# KiCad board 8b-alu-slice.kicad_pcb (continued)
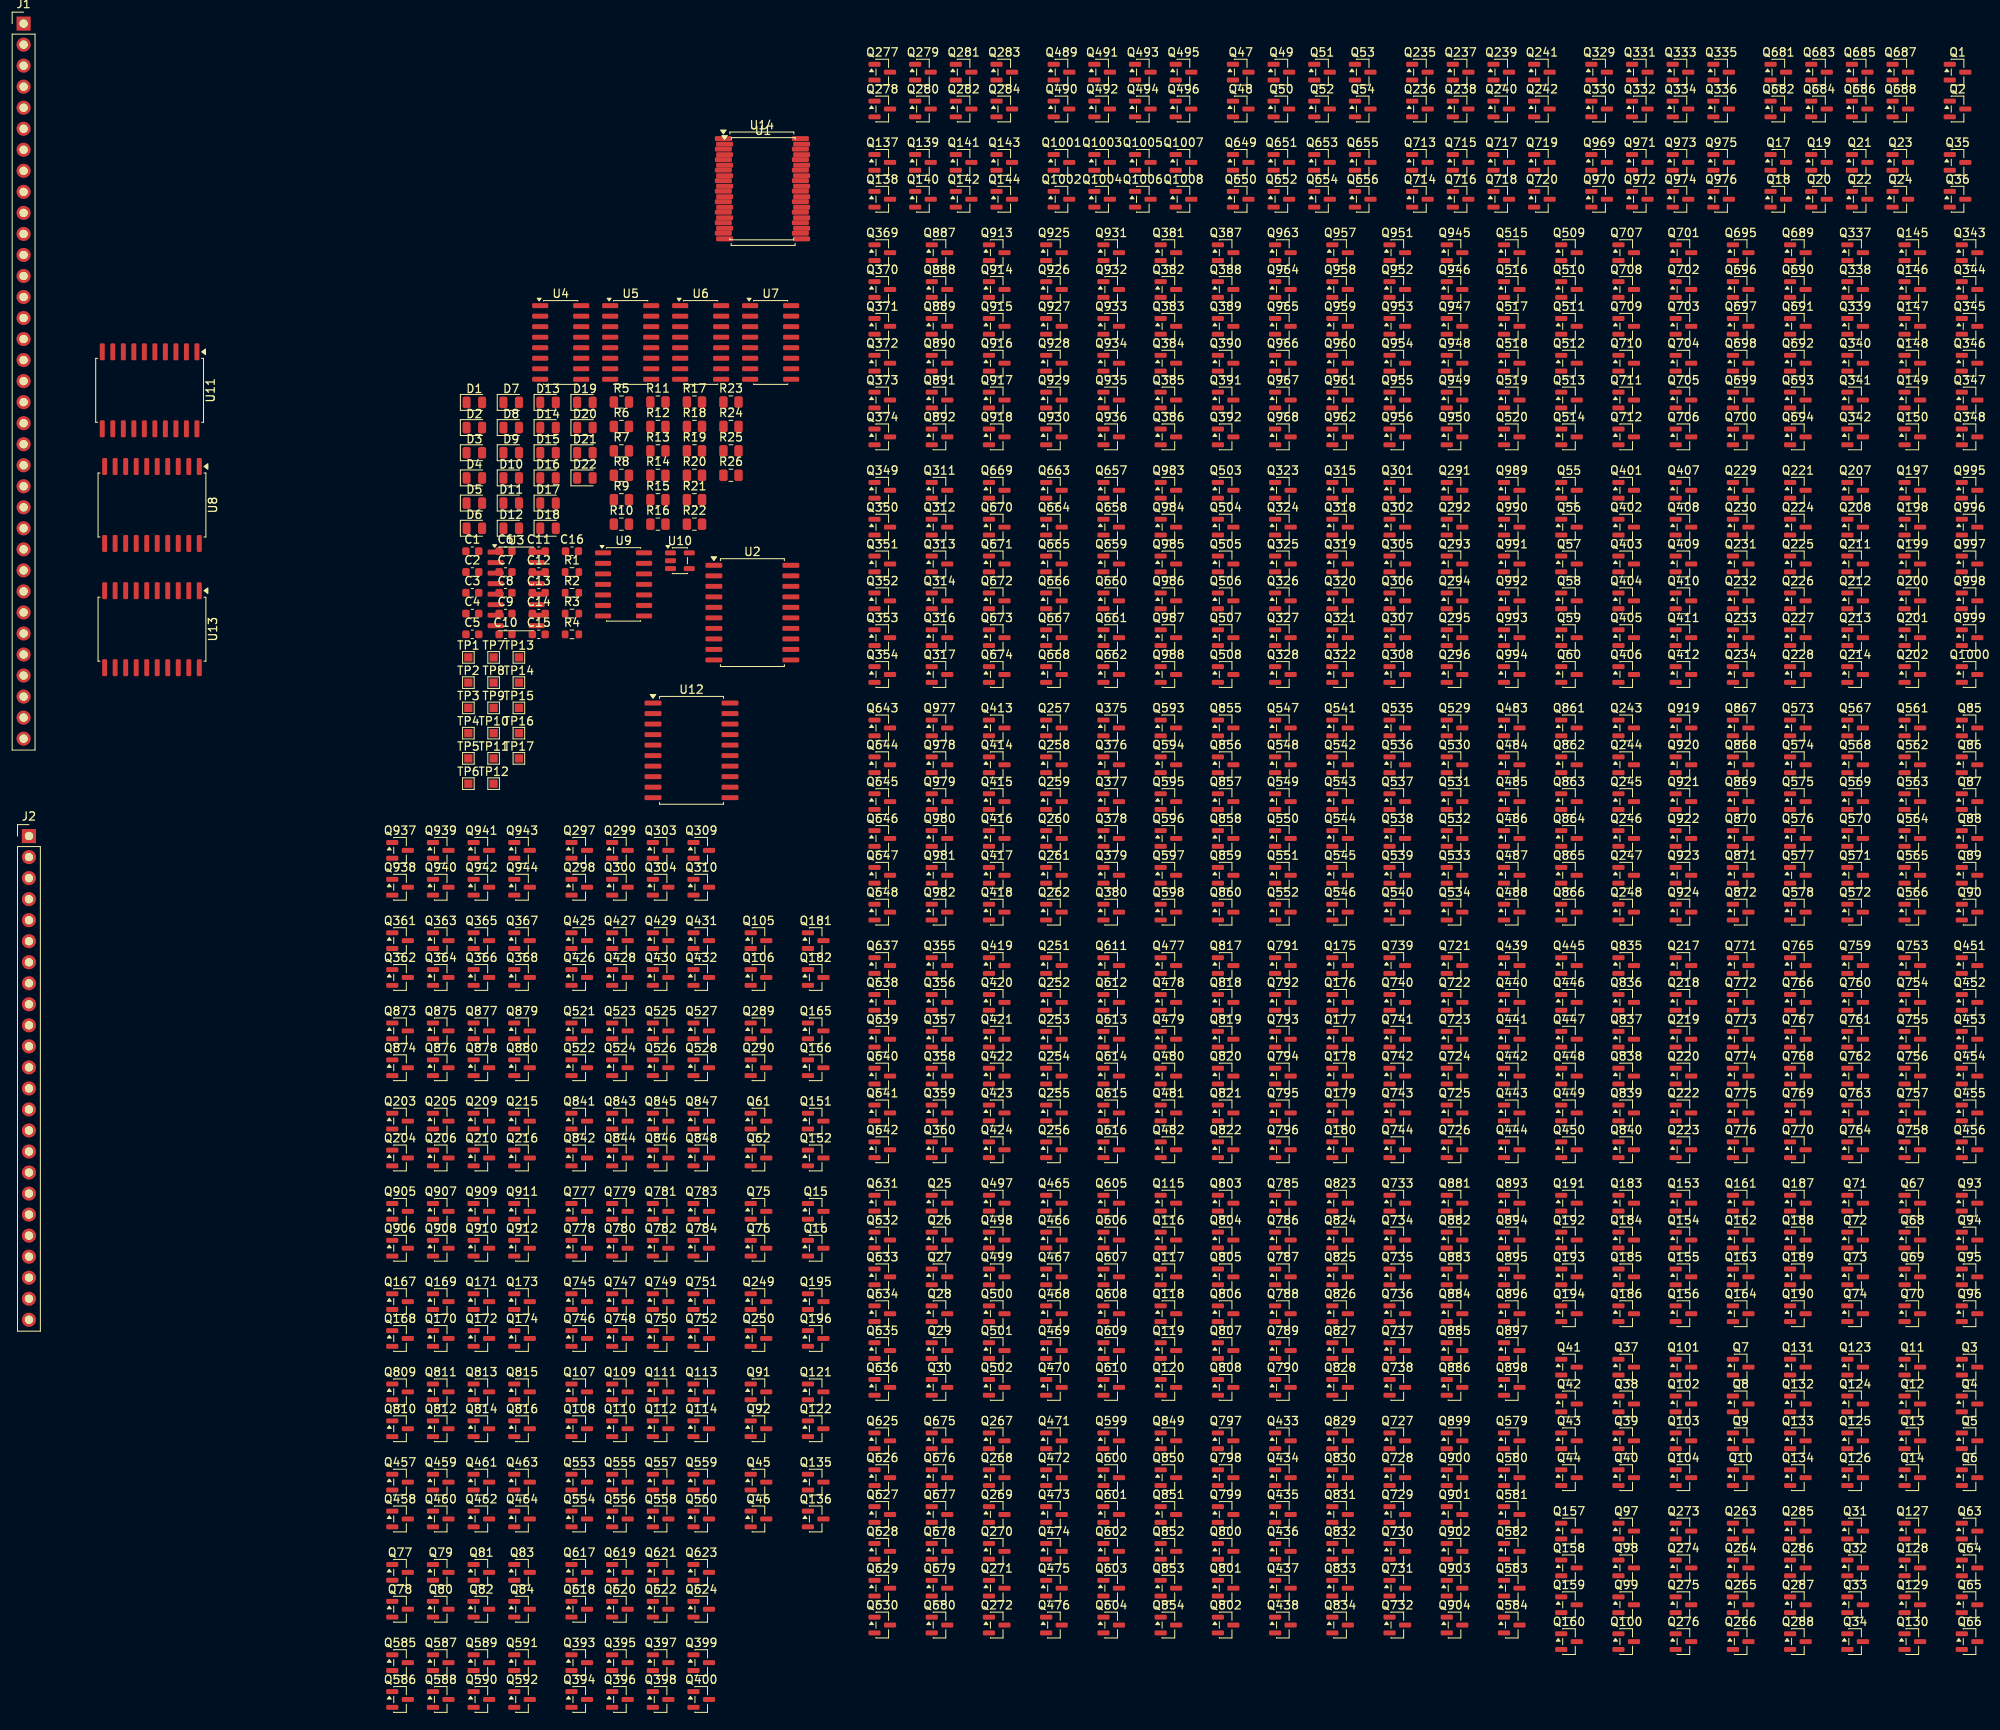
[diagram p0: board, top side]
## Placement (name value [footprint] x y rotation side) (continued)
Q380  Q_PMOS  [SOT-23]  131.33 95.09 0 top
Q381  Q_PMOS  [SOT-23]  138.24 174.74 0 top
Q382  Q_PMOS  [SOT-23]  138.24 170.29 0 top
Q383  Q_NMOS  [SOT-23]  138.24 165.84 0 top
Q384  Q_NMOS  [SOT-23]  138.24 161.39 0 top
Q385  Q_NMOS  [SOT-23]  138.24 156.94 0 top
Q386  Q_PMOS  [SOT-23]  138.24 152.49 0 top
Q387  Q_PMOS  [SOT-23]  145.15 174.74 0 top
Q388  Q_PMOS  [SOT-23]  145.15 170.29 0 top
Q389  Q_NMOS  [SOT-23]  145.15 165.84 0 top
Q390  Q_NMOS  [SOT-23]  145.15 161.39 0 top
Q391  Q_NMOS  [SOT-23]  145.15 156.94 0 top
Q392  Q_PMOS  [SOT-23]  145.15 152.49 0 top
Q393  Q_PMOS  [SOT-23]  67.09 4.45 0 top
Q394  Q_PMOS  [SOT-23]  67.09 0 0 top
Q395  Q_PMOS  [SOT-23]  72 4.45 0 top
Q396  Q_PMOS  [SOT-23]  72 0 0 top
Q397  Q_NMOS  [SOT-23]  76.92 4.45 0 top
Q398  Q_NMOS  [SOT-23]  76.92 0 0 top
Q399  Q_NMOS  [SOT-23]  81.83 4.45 0 top
Q400  Q_NMOS  [SOT-23]  81.83 0 0 top
Q401  Q_PMOS  [SOT-23]  193.52 146.04 0 top
Q402  Q_PMOS  [SOT-23]  193.52 141.59 0 top
Q403  Q_NMOS  [SOT-23]  193.52 137.14 0 top
Q404  Q_NMOS  [SOT-23]  193.52 132.69 0 top
Q405  Q_NMOS  [SOT-23]  193.52 128.24 0 top
Q406  Q_PMOS  [SOT-23]  193.52 123.79 0 top
Q407  Q_PMOS  [SOT-23]  200.43 146.04 0 top
Q408  Q_PMOS  [SOT-23]  200.43 141.59 0 top
Q409  Q_NMOS  [SOT-23]  200.43 137.14 0 top
Q410  Q_NMOS  [SOT-23]  200.43 132.69 0 top
Q411  Q_NMOS  [SOT-23]  200.43 128.24 0 top
Q412  Q_PMOS  [SOT-23]  200.43 123.79 0 top
Q413  Q_PMOS  [SOT-23]  117.51 117.34 0 top
Q414  Q_PMOS  [SOT-23]  117.51 112.89 0 top
Q415  Q_NMOS  [SOT-23]  117.51 108.44 0 top
Q416  Q_NMOS  [SOT-23]  117.51 103.99 0 top
Q417  Q_NMOS  [SOT-23]  117.51 99.54 0 top
Q418  Q_PMOS  [SOT-23]  117.51 95.09 0 top
Q419  Q_PMOS  [SOT-23]  117.51 88.64 0 top
Q420  Q_PMOS  [SOT-23]  117.51 84.19 0 top
Q421  Q_NMOS  [SOT-23]  117.51 79.74 0 top
Q422  Q_NMOS  [SOT-23]  117.51 75.29 0 top
Q423  Q_NMOS  [SOT-23]  117.51 70.84 0 top
Q424  Q_PMOS  [SOT-23]  117.51 66.39 0 top
Q425  Q_PMOS  [SOT-23]  67.09 91.65 0 top
Q426  Q_PMOS  [SOT-23]  67.09 87.2 0 top
Q427  Q_PMOS  [SOT-23]  72 91.65 0 top
Q428  Q_PMOS  [SOT-23]  72 87.2 0 top
Q429  Q_NMOS  [SOT-23]  76.92 91.65 0 top
Q430  Q_NMOS  [SOT-23]  76.92 87.2 0 top
Q431  Q_NMOS  [SOT-23]  81.83 91.65 0 top
Q432  Q_NMOS  [SOT-23]  81.83 87.2 0 top
Q433  Q_PMOS  [SOT-23]  152.06 31.24 0 top
Q434  Q_PMOS  [SOT-23]  152.06 26.79 0 top
Q435  Q_NMOS  [SOT-23]  152.06 22.34 0 top
Q436  Q_NMOS  [SOT-23]  152.06 17.89 0 top
Q437  Q_NMOS  [SOT-23]  152.06 13.44 0 top
Q438  Q_PMOS  [SOT-23]  152.06 8.99 0 top
Q439  Q_PMOS  [SOT-23]  179.7 88.64 0 top
Q440  Q_PMOS  [SOT-23]  179.7 84.19 0 top
Q441  Q_NMOS  [SOT-23]  179.7 79.74 0 top
Q442  Q_NMOS  [SOT-23]  179.7 75.29 0 top
Q443  Q_NMOS  [SOT-23]  179.7 70.84 0 top
Q444  Q_PMOS  [SOT-23]  179.7 66.39 0 top
Q445  Q_PMOS  [SOT-23]  186.61 88.64 0 top
Q446  Q_PMOS  [SOT-23]  186.61 84.19 0 top
Q447  Q_NMOS  [SOT-23]  186.61 79.74 0 top
Q448  Q_NMOS  [SOT-23]  186.61 75.29 0 top
Q449  Q_NMOS  [SOT-23]  186.61 70.84 0 top
Q450  Q_PMOS  [SOT-23]  186.61 66.39 0 top
Q451  Q_PMOS  [SOT-23]  234.97 88.64 0 top
Q452  Q_PMOS  [SOT-23]  234.97 84.19 0 top
Q453  Q_NMOS  [SOT-23]  234.97 79.74 0 top
Q454  Q_NMOS  [SOT-23]  234.97 75.29 0 top
Q455  Q_NMOS  [SOT-23]  234.97 70.84 0 top
Q456  Q_PMOS  [SOT-23]  234.97 66.39 0 top
Q457  Q_PMOS  [SOT-23]  45.46 26.25 0 top
Q458  Q_PMOS  [SOT-23]  45.46 21.8 0 top
Q459  Q_PMOS  [SOT-23]  50.37 26.25 0 top
Q460  Q_PMOS  [SOT-23]  50.37 21.8 0 top
Q461  Q_NMOS  [SOT-23]  55.27 26.25 0 top
Q462  Q_NMOS  [SOT-23]  55.27 21.8 0 top
Q463  Q_NMOS  [SOT-23]  60.19 26.25 0 top
Q464  Q_NMOS  [SOT-23]  60.19 21.8 0 top
Q465  Q_PMOS  [SOT-23]  124.42 59.94 0 top
Q466  Q_PMOS  [SOT-23]  124.42 55.49 0 top
Q467  Q_NMOS  [SOT-23]  124.42 51.04 0 top
Q468  Q_NMOS  [SOT-23]  124.42 46.59 0 top
Q469  Q_NMOS  [SOT-23]  124.42 42.14 0 top
Q470  Q_PMOS  [SOT-23]  124.42 37.69 0 top
Q471  Q_PMOS  [SOT-23]  124.42 31.24 0 top
Q472  Q_PMOS  [SOT-23]  124.42 26.79 0 top
Q473  Q_NMOS  [SOT-23]  124.42 22.34 0 top
Q474  Q_NMOS  [SOT-23]  124.42 17.89 0 top
Q475  Q_NMOS  [SOT-23]  124.42 13.44 0 top
Q476  Q_PMOS  [SOT-23]  124.42 8.99 0 top
Q477  Q_PMOS  [SOT-23]  138.24 88.64 0 top
Q478  Q_PMOS  [SOT-23]  138.24 84.19 0 top
Q479  Q_NMOS  [SOT-23]  138.24 79.74 0 top
Q480  Q_NMOS  [SOT-23]  138.24 75.29 0 top
Q481  Q_NMOS  [SOT-23]  138.24 70.84 0 top
Q482  Q_PMOS  [SOT-23]  138.24 66.39 0 top
Q483  Q_PMOS  [SOT-23]  179.7 117.34 0 top
Q484  Q_PMOS  [SOT-23]  179.7 112.89 0 top
Q485  Q_NMOS  [SOT-23]  179.7 108.44 0 top
Q486  Q_NMOS  [SOT-23]  179.7 103.99 0 top
Q487  Q_NMOS  [SOT-23]  179.7 99.54 0 top
Q488  Q_PMOS  [SOT-23]  179.7 95.09 0 top
Q489  Q_PMOS  [SOT-23]  125.33 196.54 0 top
Q490  Q_PMOS  [SOT-23]  125.33 192.09 0 top
Q491  Q_PMOS  [SOT-23]  130.24 196.54 0 top
Q492  Q_PMOS  [SOT-23]  130.24 192.09 0 top
Q493  Q_NMOS  [SOT-23]  135.15 196.54 0 top
Q494  Q_NMOS  [SOT-23]  135.15 192.09 0 top
Q495  Q_NMOS  [SOT-23]  140.06 196.54 0 top
Q496  Q_NMOS  [SOT-23]  140.06 192.09 0 top
Q497  Q_PMOS  [SOT-23]  117.51 59.94 0 top
Q498  Q_PMOS  [SOT-23]  117.51 55.49 0 top
Q499  Q_NMOS  [SOT-23]  117.51 51.04 0 top
Q500  Q_NMOS  [SOT-23]  117.51 46.59 0 top
Q501  Q_NMOS  [SOT-23]  117.51 42.14 0 top
Q502  Q_PMOS  [SOT-23]  117.51 37.69 0 top
Q503  Q_PMOS  [SOT-23]  145.15 146.04 0 top
Q504  Q_PMOS  [SOT-23]  145.15 141.59 0 top
Q505  Q_NMOS  [SOT-23]  145.15 137.14 0 top
Q506  Q_NMOS  [SOT-23]  145.15 132.69 0 top
Q507  Q_NMOS  [SOT-23]  145.15 128.24 0 top
Q508  Q_PMOS  [SOT-23]  145.15 123.79 0 top
Q509  Q_PMOS  [SOT-23]  186.61 174.74 0 top
Q510  Q_PMOS  [SOT-23]  186.61 170.29 0 top
Q511  Q_NMOS  [SOT-23]  186.61 165.84 0 top
Q512  Q_NMOS  [SOT-23]  186.61 161.39 0 top
Q513  Q_NMOS  [SOT-23]  186.61 156.94 0 top
Q514  Q_PMOS  [SOT-23]  186.61 152.49 0 top
Q515  Q_PMOS  [SOT-23]  179.7 174.74 0 top
Q516  Q_PMOS  [SOT-23]  179.7 170.29 0 top
Q517  Q_NMOS  [SOT-23]  179.7 165.84 0 top
Q518  Q_NMOS  [SOT-23]  179.7 161.39 0 top
Q519  Q_NMOS  [SOT-23]  179.7 156.94 0 top
Q520  Q_PMOS  [SOT-23]  179.7 152.49 0 top
Q521  Q_PMOS  [SOT-23]  67.09 80.75 0 top
Q522  Q_PMOS  [SOT-23]  67.09 76.3 0 top
Q523  Q_PMOS  [SOT-23]  72 80.75 0 top
Q524  Q_PMOS  [SOT-23]  72 76.3 0 top
Q525  Q_NMOS  [SOT-23]  76.92 80.75 0 top
Q526  Q_NMOS  [SOT-23]  76.92 76.3 0 top
Q527  Q_NMOS  [SOT-23]  81.83 80.75 0 top
Q528  Q_NMOS  [SOT-23]  81.83 76.3 0 top
Q529  Q_PMOS  [SOT-23]  172.78 117.34 0 top
Q530  Q_PMOS  [SOT-23]  172.78 112.89 0 top
Q531  Q_NMOS  [SOT-23]  172.78 108.44 0 top
Q532  Q_NMOS  [SOT-23]  172.78 103.99 0 top
Q533  Q_NMOS  [SOT-23]  172.78 99.54 0 top
Q534  Q_PMOS  [SOT-23]  172.78 95.09 0 top
Q535  Q_PMOS  [SOT-23]  165.88 117.34 0 top
Q536  Q_PMOS  [SOT-23]  165.88 112.89 0 top
Q537  Q_NMOS  [SOT-23]  165.88 108.44 0 top
Q538  Q_NMOS  [SOT-23]  165.88 103.99 0 top
Q539  Q_NMOS  [SOT-23]  165.88 99.54 0 top
Q540  Q_PMOS  [SOT-23]  165.88 95.09 0 top
Q541  Q_PMOS  [SOT-23]  158.97 117.34 0 top
Q542  Q_PMOS  [SOT-23]  158.97 112.89 0 top
Q543  Q_NMOS  [SOT-23]  158.97 108.44 0 top
Q544  Q_NMOS  [SOT-23]  158.97 103.99 0 top
Q545  Q_NMOS  [SOT-23]  158.97 99.54 0 top
Q546  Q_PMOS  [SOT-23]  158.97 95.09 0 top
Q547  Q_PMOS  [SOT-23]  152.06 117.34 0 top
Q548  Q_PMOS  [SOT-23]  152.06 112.89 0 top
Q549  Q_NMOS  [SOT-23]  152.06 108.44 0 top
Q550  Q_NMOS  [SOT-23]  152.06 103.99 0 top
Q551  Q_NMOS  [SOT-23]  152.06 99.54 0 top
Q552  Q_PMOS  [SOT-23]  152.06 95.09 0 top
Q553  Q_PMOS  [SOT-23]  67.09 26.25 0 top
Q554  Q_PMOS  [SOT-23]  67.09 21.8 0 top
Q555  Q_PMOS  [SOT-23]  72 26.25 0 top
Q556  Q_PMOS  [SOT-23]  72 21.8 0 top
Q557  Q_NMOS  [SOT-23]  76.92 26.25 0 top
Q558  Q_NMOS  [SOT-23]  76.92 21.8 0 top
Q559  Q_NMOS  [SOT-23]  81.83 26.25 0 top
Q560  Q_NMOS  [SOT-23]  81.83 21.8 0 top
Q561  Q_PMOS  [SOT-23]  228.07 117.34 0 top
Q562  Q_PMOS  [SOT-23]  228.07 112.89 0 top
Q563  Q_NMOS  [SOT-23]  228.07 108.44 0 top
Q564  Q_NMOS  [SOT-23]  228.07 103.99 0 top
Q565  Q_NMOS  [SOT-23]  228.07 99.54 0 top
Q566  Q_PMOS  [SOT-23]  228.07 95.09 0 top
Q567  Q_PMOS  [SOT-23]  221.16 117.34 0 top
Q568  Q_PMOS  [SOT-23]  221.16 112.89 0 top
Q569  Q_NMOS  [SOT-23]  221.16 108.44 0 top
Q570  Q_NMOS  [SOT-23]  221.16 103.99 0 top
Q571  Q_NMOS  [SOT-23]  221.16 99.54 0 top
Q572  Q_PMOS  [SOT-23]  221.16 95.09 0 top
Q573  Q_PMOS  [SOT-23]  214.25 117.34 0 top
Q574  Q_PMOS  [SOT-23]  214.25 112.89 0 top
Q575  Q_NMOS  [SOT-23]  214.25 108.44 0 top
Q576  Q_NMOS  [SOT-23]  214.25 103.99 0 top
Q577  Q_NMOS  [SOT-23]  214.25 99.54 0 top
Q578  Q_PMOS  [SOT-23]  214.25 95.09 0 top
Q579  Q_PMOS  [SOT-23]  179.7 31.24 0 top
Q580  Q_PMOS  [SOT-23]  179.7 26.79 0 top
Q581  Q_NMOS  [SOT-23]  179.7 22.34 0 top
Q582  Q_NMOS  [SOT-23]  179.7 17.89 0 top
Q583  Q_NMOS  [SOT-23]  179.7 13.44 0 top
Q584  Q_PMOS  [SOT-23]  179.7 8.99 0 top
Q585  Q_PMOS  [SOT-23]  45.46 4.45 0 top
Q586  Q_PMOS  [SOT-23]  45.46 0 0 top
Q587  Q_PMOS  [SOT-23]  50.37 4.45 0 top
Q588  Q_PMOS  [SOT-23]  50.37 0 0 top
Q589  Q_NMOS  [SOT-23]  55.27 4.45 0 top
Q590  Q_NMOS  [SOT-23]  55.27 0 0 top
Q591  Q_NMOS  [SOT-23]  60.19 4.45 0 top
Q592  Q_NMOS  [SOT-23]  60.19 0 0 top
Q593  Q_PMOS  [SOT-23]  138.24 117.34 0 top
Q594  Q_PMOS  [SOT-23]  138.24 112.89 0 top
Q595  Q_NMOS  [SOT-23]  138.24 108.44 0 top
Q596  Q_NMOS  [SOT-23]  138.24 103.99 0 top
Q597  Q_NMOS  [SOT-23]  138.24 99.54 0 top
Q598  Q_PMOS  [SOT-23]  138.24 95.09 0 top
Q599  Q_PMOS  [SOT-23]  131.33 31.24 0 top
Q600  Q_PMOS  [SOT-23]  131.33 26.79 0 top
Q601  Q_NMOS  [SOT-23]  131.33 22.34 0 top
Q602  Q_NMOS  [SOT-23]  131.33 17.89 0 top
Q603  Q_NMOS  [SOT-23]  131.33 13.44 0 top
Q604  Q_PMOS  [SOT-23]  131.33 8.99 0 top
Q605  Q_PMOS  [SOT-23]  131.33 59.94 0 top
Q606  Q_PMOS  [SOT-23]  131.33 55.49 0 top
Q607  Q_NMOS  [SOT-23]  131.33 51.04 0 top
Q608  Q_NMOS  [SOT-23]  131.33 46.59 0 top
Q609  Q_NMOS  [SOT-23]  131.33 42.14 0 top
Q610  Q_PMOS  [SOT-23]  131.33 37.69 0 top
Q611  Q_PMOS  [SOT-23]  131.33 88.64 0 top
Q612  Q_PMOS  [SOT-23]  131.33 84.19 0 top
Q613  Q_NMOS  [SOT-23]  131.33 79.74 0 top
Q614  Q_NMOS  [SOT-23]  131.33 75.29 0 top
Q615  Q_NMOS  [SOT-23]  131.33 70.84 0 top
Q616  Q_PMOS  [SOT-23]  131.33 66.39 0 top
Q617  Q_PMOS  [SOT-23]  67.09 15.35 0 top
Q618  Q_PMOS  [SOT-23]  67.09 10.9 0 top
Q619  Q_PMOS  [SOT-23]  72 15.35 0 top
Q620  Q_PMOS  [SOT-23]  72 10.9 0 top
Q621  Q_NMOS  [SOT-23]  76.92 15.35 0 top
Q622  Q_NMOS  [SOT-23]  76.92 10.9 0 top
Q623  Q_NMOS  [SOT-23]  81.83 15.35 0 top
Q624  Q_NMOS  [SOT-23]  81.83 10.9 0 top
Q625  Q_PMOS  [SOT-23]  103.69 31.24 0 top
Q626  Q_PMOS  [SOT-23]  103.69 26.79 0 top
Q627  Q_NMOS  [SOT-23]  103.69 22.34 0 top
Q628  Q_NMOS  [SOT-23]  103.69 17.89 0 top
Q629  Q_NMOS  [SOT-23]  103.69 13.44 0 top
Q630  Q_PMOS  [SOT-23]  103.69 8.99 0 top
Q631  Q_PMOS  [SOT-23]  103.69 59.94 0 top
Q632  Q_PMOS  [SOT-23]  103.69 55.49 0 top
Q633  Q_NMOS  [SOT-23]  103.69 51.04 0 top
Q634  Q_NMOS  [SOT-23]  103.69 46.59 0 top
Q635  Q_NMOS  [SOT-23]  103.69 42.14 0 top
Q636  Q_PMOS  [SOT-23]  103.69 37.69 0 top
Q637  Q_PMOS  [SOT-23]  103.69 88.64 0 top
Q638  Q_PMOS  [SOT-23]  103.69 84.19 0 top
Q639  Q_NMOS  [SOT-23]  103.69 79.74 0 top
Q640  Q_NMOS  [SOT-23]  103.69 75.29 0 top
Q641  Q_NMOS  [SOT-23]  103.69 70.84 0 top
Q642  Q_PMOS  [SOT-23]  103.69 66.39 0 top
Q643  Q_PMOS  [SOT-23]  103.69 117.34 0 top
Q644  Q_PMOS  [SOT-23]  103.69 112.89 0 top
Q645  Q_NMOS  [SOT-23]  103.69 108.44 0 top
Q646  Q_NMOS  [SOT-23]  103.69 103.99 0 top
Q647  Q_NMOS  [SOT-23]  103.69 99.54 0 top
Q648  Q_PMOS  [SOT-23]  103.69 95.09 0 top
Q649  Q_PMOS  [SOT-23]  146.97 185.64 0 top
Q650  Q_PMOS  [SOT-23]  146.97 181.19 0 top
Q651  Q_PMOS  [SOT-23]  151.88 185.64 0 top
Q652  Q_PMOS  [SOT-23]  151.88 181.19 0 top
Q653  Q_NMOS  [SOT-23]  156.78 185.64 0 top
Q654  Q_NMOS  [SOT-23]  156.78 181.19 0 top
Q655  Q_NMOS  [SOT-23]  161.7 185.64 0 top
Q656  Q_NMOS  [SOT-23]  161.7 181.19 0 top
Q657  Q_PMOS  [SOT-23]  131.33 146.04 0 top
Q658  Q_PMOS  [SOT-23]  131.33 141.59 0 top
Q659  Q_NMOS  [SOT-23]  131.33 137.14 0 top
Q660  Q_NMOS  [SOT-23]  131.33 132.69 0 top
Q661  Q_NMOS  [SOT-23]  131.33 128.24 0 top
Q662  Q_PMOS  [SOT-23]  131.33 123.79 0 top
Q663  Q_PMOS  [SOT-23]  124.42 146.04 0 top
Q664  Q_PMOS  [SOT-23]  124.42 141.59 0 top
Q665  Q_NMOS  [SOT-23]  124.42 137.14 0 top
Q666  Q_NMOS  [SOT-23]  124.42 132.69 0 top
Q667  Q_NMOS  [SOT-23]  124.42 128.24 0 top
Q668  Q_PMOS  [SOT-23]  124.42 123.79 0 top
Q669  Q_PMOS  [SOT-23]  117.51 146.04 0 top
Q670  Q_PMOS  [SOT-23]  117.51 141.59 0 top
Q671  Q_NMOS  [SOT-23]  117.51 137.14 0 top
Q672  Q_NMOS  [SOT-23]  117.51 132.69 0 top
Q673  Q_NMOS  [SOT-23]  117.51 128.24 0 top
Q674  Q_PMOS  [SOT-23]  117.51 123.79 0 top
Q675  Q_PMOS  [SOT-23]  110.59 31.24 0 top
Q676  Q_PMOS  [SOT-23]  110.59 26.79 0 top
Q677  Q_NMOS  [SOT-23]  110.59 22.34 0 top
Q678  Q_NMOS  [SOT-23]  110.59 17.89 0 top
Q679  Q_NMOS  [SOT-23]  110.59 13.44 0 top
Q680  Q_PMOS  [SOT-23]  110.59 8.99 0 top
Q681  Q_PMOS  [SOT-23]  211.89 196.54 0 top
Q682  Q_PMOS  [SOT-23]  211.89 192.09 0 top
Q683  Q_PMOS  [SOT-23]  216.79 196.54 0 top
Q684  Q_PMOS  [SOT-23]  216.79 192.09 0 top
Q685  Q_NMOS  [SOT-23]  221.71 196.54 0 top
Q686  Q_NMOS  [SOT-23]  221.71 192.09 0 top
Q687  Q_NMOS  [SOT-23]  226.62 196.54 0 top
Q688  Q_NMOS  [SOT-23]  226.62 192.09 0 top
Q689  Q_PMOS  [SOT-23]  214.25 174.74 0 top
Q690  Q_PMOS  [SOT-23]  214.25 170.29 0 top
Q691  Q_NMOS  [SOT-23]  214.25 165.84 0 top
Q692  Q_NMOS  [SOT-23]  214.25 161.39 0 top
Q693  Q_NMOS  [SOT-23]  214.25 156.94 0 top
Q694  Q_PMOS  [SOT-23]  214.25 152.49 0 top
Q695  Q_PMOS  [SOT-23]  207.34 174.74 0 top
Q696  Q_PMOS  [SOT-23]  207.34 170.29 0 top
Q697  Q_NMOS  [SOT-23]  207.34 165.84 0 top
Q698  Q_NMOS  [SOT-23]  207.34 161.39 0 top
Q699  Q_NMOS  [SOT-23]  207.34 156.94 0 top
Q700  Q_PMOS  [SOT-23]  207.34 152.49 0 top
Q701  Q_PMOS  [SOT-23]  200.43 174.74 0 top
Q702  Q_PMOS  [SOT-23]  200.43 170.29 0 top
Q703  Q_NMOS  [SOT-23]  200.43 165.84 0 top
Q704  Q_NMOS  [SOT-23]  200.43 161.39 0 top
Q705  Q_NMOS  [SOT-23]  200.43 156.94 0 top
Q706  Q_PMOS  [SOT-23]  200.43 152.49 0 top
Q707  Q_PMOS  [SOT-23]  193.52 174.74 0 top
Q708  Q_PMOS  [SOT-23]  193.52 170.29 0 top
Q709  Q_NMOS  [SOT-23]  193.52 165.84 0 top
Q710  Q_NMOS  [SOT-23]  193.52 161.39 0 top
Q711  Q_NMOS  [SOT-23]  193.52 156.94 0 top
Q712  Q_PMOS  [SOT-23]  193.52 152.49 0 top
Q713  Q_PMOS  [SOT-23]  168.61 185.64 0 top
Q714  Q_PMOS  [SOT-23]  168.61 181.19 0 top
Q715  Q_PMOS  [SOT-23]  173.52 185.64 0 top
Q716  Q_PMOS  [SOT-23]  173.52 181.19 0 top
Q717  Q_NMOS  [SOT-23]  178.43 185.64 0 top
Q718  Q_NMOS  [SOT-23]  178.43 181.19 0 top
Q719  Q_NMOS  [SOT-23]  183.34 185.64 0 top
Q720  Q_NMOS  [SOT-23]  183.34 181.19 0 top
Q721  Q_PMOS  [SOT-23]  172.78 88.64 0 top
Q722  Q_PMOS  [SOT-23]  172.78 84.19 0 top
Q723  Q_NMOS  [SOT-23]  172.78 79.74 0 top
Q724  Q_NMOS  [SOT-23]  172.78 75.29 0 top
Q725  Q_NMOS  [SOT-23]  172.78 70.84 0 top
Q726  Q_PMOS  [SOT-23]  172.78 66.39 0 top
Q727  Q_PMOS  [SOT-23]  165.88 31.24 0 top
Q728  Q_PMOS  [SOT-23]  165.88 26.79 0 top
Q729  Q_NMOS  [SOT-23]  165.88 22.34 0 top
Q730  Q_NMOS  [SOT-23]  165.88 17.89 0 top
Q731  Q_NMOS  [SOT-23]  165.88 13.44 0 top
Q732  Q_PMOS  [SOT-23]  165.88 8.99 0 top
Q733  Q_PMOS  [SOT-23]  165.88 59.94 0 top
Q734  Q_PMOS  [SOT-23]  165.88 55.49 0 top
Q735  Q_NMOS  [SOT-23]  165.88 51.04 0 top
Q736  Q_NMOS  [SOT-23]  165.88 46.59 0 top
Q737  Q_NMOS  [SOT-23]  165.88 42.14 0 top
Q738  Q_PMOS  [SOT-23]  165.88 37.69 0 top
Q739  Q_PMOS  [SOT-23]  165.88 88.64 0 top
Q740  Q_PMOS  [SOT-23]  165.88 84.19 0 top
Q741  Q_NMOS  [SOT-23]  165.88 79.74 0 top
Q742  Q_NMOS  [SOT-23]  165.88 75.29 0 top
Q743  Q_NMOS  [SOT-23]  165.88 70.84 0 top
Q744  Q_PMOS  [SOT-23]  165.88 66.39 0 top
Q745  Q_PMOS  [SOT-23]  67.09 48.05 0 top
Q746  Q_PMOS  [SOT-23]  67.09 43.6 0 top
Q747  Q_PMOS  [SOT-23]  72 48.05 0 top
Q748  Q_PMOS  [SOT-23]  72 43.6 0 top
Q749  Q_NMOS  [SOT-23]  76.92 48.05 0 top
Q750  Q_NMOS  [SOT-23]  76.92 43.6 0 top
Q751  Q_NMOS  [SOT-23]  81.83 48.05 0 top
Q752  Q_NMOS  [SOT-23]  81.83 43.6 0 top
Q753  Q_PMOS  [SOT-23]  228.07 88.64 0 top
Q754  Q_PMOS  [SOT-23]  228.07 84.19 0 top
Q755  Q_NMOS  [SOT-23]  228.07 79.74 0 top
Q756  Q_NMOS  [SOT-23]  228.07 75.29 0 top
Q757  Q_NMOS  [SOT-23]  228.07 70.84 0 top
Q758  Q_PMOS  [SOT-23]  228.07 66.39 0 top
Q759  Q_PMOS  [SOT-23]  221.16 88.64 0 top
Q760  Q_PMOS  [SOT-23]  221.16 84.19 0 top
Q761  Q_NMOS  [SOT-23]  221.16 79.74 0 top
Q762  Q_NMOS  [SOT-23]  221.16 75.29 0 top
Q763  Q_NMOS  [SOT-23]  221.16 70.84 0 top
Q764  Q_PMOS  [SOT-23]  221.16 66.39 0 top
Q765  Q_PMOS  [SOT-23]  214.25 88.64 0 top
Q766  Q_PMOS  [SOT-23]  214.25 84.19 0 top
Q767  Q_NMOS  [SOT-23]  214.25 79.74 0 top
Q768  Q_NMOS  [SOT-23]  214.25 75.29 0 top
Q769  Q_NMOS  [SOT-23]  214.25 70.84 0 top
Q770  Q_PMOS  [SOT-23]  214.25 66.39 0 top
Q771  Q_PMOS  [SOT-23]  207.34 88.64 0 top
Q772  Q_PMOS  [SOT-23]  207.34 84.19 0 top
Q773  Q_NMOS  [SOT-23]  207.34 79.74 0 top
Q774  Q_NMOS  [SOT-23]  207.34 75.29 0 top
Q775  Q_NMOS  [SOT-23]  207.34 70.84 0 top
Q776  Q_PMOS  [SOT-23]  207.34 66.39 0 top
Q777  Q_PMOS  [SOT-23]  67.09 58.95 0 top
Q778  Q_PMOS  [SOT-23]  67.09 54.5 0 top
Q779  Q_PMOS  [SOT-23]  72 58.95 0 top
Q780  Q_PMOS  [SOT-23]  72 54.5 0 top
Q781  Q_NMOS  [SOT-23]  76.92 58.95 0 top
Q782  Q_NMOS  [SOT-23]  76.92 54.5 0 top
Q783  Q_NMOS  [SOT-23]  81.83 58.95 0 top
Q784  Q_NMOS  [SOT-23]  81.83 54.5 0 top
Q785  Q_PMOS  [SOT-23]  152.06 59.94 0 top
Q786  Q_PMOS  [SOT-23]  152.06 55.49 0 top
Q787  Q_NMOS  [SOT-23]  152.06 51.04 0 top
Q788  Q_NMOS  [SOT-23]  152.06 46.59 0 top
Q789  Q_NMOS  [SOT-23]  152.06 42.14 0 top
Q790  Q_PMOS  [SOT-23]  152.06 37.69 0 top
Q791  Q_PMOS  [SOT-23]  152.06 88.64 0 top
Q792  Q_PMOS  [SOT-23]  152.06 84.19 0 top
Q793  Q_NMOS  [SOT-23]  152.06 79.74 0 top
Q794  Q_NMOS  [SOT-23]  152.06 75.29 0 top
Q795  Q_NMOS  [SOT-23]  152.06 70.84 0 top
Q796  Q_PMOS  [SOT-23]  152.06 66.39 0 top
Q797  Q_PMOS  [SOT-23]  145.15 31.24 0 top
Q798  Q_PMOS  [SOT-23]  145.15 26.79 0 top
Q799  Q_NMOS  [SOT-23]  145.15 22.34 0 top
Q800  Q_NMOS  [SOT-23]  145.15 17.89 0 top
Q801  Q_NMOS  [SOT-23]  145.15 13.44 0 top
Q802  Q_PMOS  [SOT-23]  145.15 8.99 0 top
Q803  Q_PMOS  [SOT-23]  145.15 59.94 0 top
Q804  Q_PMOS  [SOT-23]  145.15 55.49 0 top
Q805  Q_NMOS  [SOT-23]  145.15 51.04 0 top
Q806  Q_NMOS  [SOT-23]  145.15 46.59 0 top
Q807  Q_NMOS  [SOT-23]  145.15 42.14 0 top
Q808  Q_PMOS  [SOT-23]  145.15 37.69 0 top
Q809  Q_PMOS  [SOT-23]  45.46 37.15 0 top
Q810  Q_PMOS  [SOT-23]  45.46 32.7 0 top
Q811  Q_PMOS  [SOT-23]  50.37 37.15 0 top
Q812  Q_PMOS  [SOT-23]  50.37 32.7 0 top
Q813  Q_NMOS  [SOT-23]  55.27 37.15 0 top
Q814  Q_NMOS  [SOT-23]  55.27 32.7 0 top
Q815  Q_NMOS  [SOT-23]  60.19 37.15 0 top
Q816  Q_NMOS  [SOT-23]  60.19 32.7 0 top
Q817  Q_PMOS  [SOT-23]  145.15 88.64 0 top
Q818  Q_PMOS  [SOT-23]  145.15 84.19 0 top
Q819  Q_NMOS  [SOT-23]  145.15 79.74 0 top
Q820  Q_NMOS  [SOT-23]  145.15 75.29 0 top
Q821  Q_NMOS  [SOT-23]  145.15 70.84 0 top
Q822  Q_PMOS  [SOT-23]  145.15 66.39 0 top
Q823  Q_PMOS  [SOT-23]  158.97 59.94 0 top
Q824  Q_PMOS  [SOT-23]  158.97 55.49 0 top
Q825  Q_NMOS  [SOT-23]  158.97 51.04 0 top
Q826  Q_NMOS  [SOT-23]  158.97 46.59 0 top
Q827  Q_NMOS  [SOT-23]  158.97 42.14 0 top
Q828  Q_PMOS  [SOT-23]  158.97 37.69 0 top
Q829  Q_PMOS  [SOT-23]  158.97 31.24 0 top
Q830  Q_PMOS  [SOT-23]  158.97 26.79 0 top
Q831  Q_NMOS  [SOT-23]  158.97 22.34 0 top
Q832  Q_NMOS  [SOT-23]  158.97 17.89 0 top
Q833  Q_NMOS  [SOT-23]  158.97 13.44 0 top
Q834  Q_PMOS  [SOT-23]  158.97 8.99 0 top
Q835  Q_PMOS  [SOT-23]  193.52 88.64 0 top
Q836  Q_PMOS  [SOT-23]  193.52 84.19 0 top
Q837  Q_NMOS  [SOT-23]  193.52 79.74 0 top
Q838  Q_NMOS  [SOT-23]  193.52 75.29 0 top
Q839  Q_NMOS  [SOT-23]  193.52 70.84 0 top
Q840  Q_PMOS  [SOT-23]  193.52 66.39 0 top
Q841  Q_PMOS  [SOT-23]  67.09 69.85 0 top
Q842  Q_PMOS  [SOT-23]  67.09 65.4 0 top
Q843  Q_PMOS  [SOT-23]  72 69.85 0 top
Q844  Q_PMOS  [SOT-23]  72 65.4 0 top
Q845  Q_NMOS  [SOT-23]  76.92 69.85 0 top
Q846  Q_NMOS  [SOT-23]  76.92 65.4 0 top
Q847  Q_NMOS  [SOT-23]  81.83 69.85 0 top
Q848  Q_NMOS  [SOT-23]  81.83 65.4 0 top
Q849  Q_PMOS  [SOT-23]  138.24 31.24 0 top
Q850  Q_PMOS  [SOT-23]  138.24 26.79 0 top
Q851  Q_NMOS  [SOT-23]  138.24 22.34 0 top
Q852  Q_NMOS  [SOT-23]  138.24 17.89 0 top
Q853  Q_NMOS  [SOT-23]  138.24 13.44 0 top
Q854  Q_PMOS  [SOT-23]  138.24 8.99 0 top
Q855  Q_PMOS  [SOT-23]  145.15 117.34 0 top
Q856  Q_PMOS  [SOT-23]  145.15 112.89 0 top
Q857  Q_NMOS  [SOT-23]  145.15 108.44 0 top
Q858  Q_NMOS  [SOT-23]  145.15 103.99 0 top
Q859  Q_NMOS  [SOT-23]  145.15 99.54 0 top
Q860  Q_PMOS  [SOT-23]  145.15 95.09 0 top
Q861  Q_PMOS  [SOT-23]  186.61 117.34 0 top
Q862  Q_PMOS  [SOT-23]  186.61 112.89 0 top
Q863  Q_NMOS  [SOT-23]  186.61 108.44 0 top
Q864  Q_NMOS  [SOT-23]  186.61 103.99 0 top
Q865  Q_NMOS  [SOT-23]  186.61 99.54 0 top
Q866  Q_PMOS  [SOT-23]  186.61 95.09 0 top
Q867  Q_PMOS  [SOT-23]  207.34 117.34 0 top
Q868  Q_PMOS  [SOT-23]  207.34 112.89 0 top
Q869  Q_NMOS  [SOT-23]  207.34 108.44 0 top
Q870  Q_NMOS  [SOT-23]  207.34 103.99 0 top
Q871  Q_NMOS  [SOT-23]  207.34 99.54 0 top
Q872  Q_PMOS  [SOT-23]  207.34 95.09 0 top
Q873  Q_PMOS  [SOT-23]  45.46 80.75 0 top
Q874  Q_PMOS  [SOT-23]  45.46 76.3 0 top
Q875  Q_PMOS  [SOT-23]  50.37 80.75 0 top
Q876  Q_PMOS  [SOT-23]  50.37 76.3 0 top
Q877  Q_NMOS  [SOT-23]  55.27 80.75 0 top
Q878  Q_NMOS  [SOT-23]  55.27 76.3 0 top
Q879  Q_NMOS  [SOT-23]  60.19 80.75 0 top
Q880  Q_NMOS  [SOT-23]  60.19 76.3 0 top
Q881  Q_PMOS  [SOT-23]  172.78 59.94 0 top
Q882  Q_PMOS  [SOT-23]  172.78 55.49 0 top
Q883  Q_NMOS  [SOT-23]  172.78 51.04 0 top
Q884  Q_NMOS  [SOT-23]  172.78 46.59 0 top
Q885  Q_NMOS  [SOT-23]  172.78 42.14 0 top
Q886  Q_PMOS  [SOT-23]  172.78 37.69 0 top
Q887  Q_PMOS  [SOT-23]  110.59 174.74 0 top
Q888  Q_PMOS  [SOT-23]  110.59 170.29 0 top
Q889  Q_NMOS  [SOT-23]  110.59 165.84 0 top
Q890  Q_NMOS  [SOT-23]  110.59 161.39 0 top
Q891  Q_NMOS  [SOT-23]  110.59 156.94 0 top
Q892  Q_PMOS  [SOT-23]  110.59 152.49 0 top
Q893  Q_PMOS  [SOT-23]  179.7 59.94 0 top
Q894  Q_PMOS  [SOT-23]  179.7 55.49 0 top
Q895  Q_NMOS  [SOT-23]  179.7 51.04 0 top
Q896  Q_NMOS  [SOT-23]  179.7 46.59 0 top
Q897  Q_NMOS  [SOT-23]  179.7 42.14 0 top
Q898  Q_PMOS  [SOT-23]  179.7 37.69 0 top
Q899  Q_PMOS  [SOT-23]  172.78 31.24 0 top
Q900  Q_PMOS  [SOT-23]  172.78 26.79 0 top
Q901  Q_NMOS  [SOT-23]  172.78 22.34 0 top
Q902  Q_NMOS  [SOT-23]  172.78 17.89 0 top
Q903  Q_NMOS  [SOT-23]  172.78 13.44 0 top
Q904  Q_PMOS  [SOT-23]  172.78 8.99 0 top
Q905  Q_PMOS  [SOT-23]  45.46 58.95 0 top
Q906  Q_PMOS  [SOT-23]  45.46 54.5 0 top
Q907  Q_PMOS  [SOT-23]  50.37 58.95 0 top
Q908  Q_PMOS  [SOT-23]  50.37 54.5 0 top
Q909  Q_NMOS  [SOT-23]  55.27 58.95 0 top
Q910  Q_NMOS  [SOT-23]  55.27 54.5 0 top
Q911  Q_NMOS  [SOT-23]  60.19 58.95 0 top
Q912  Q_NMOS  [SOT-23]  60.19 54.5 0 top
Q913  Q_PMOS  [SOT-23]  117.51 174.74 0 top
Q914  Q_PMOS  [SOT-23]  117.51 170.29 0 top
Q915  Q_NMOS  [SOT-23]  117.51 165.84 0 top
Q916  Q_NMOS  [SOT-23]  117.51 161.39 0 top
Q917  Q_NMOS  [SOT-23]  117.51 156.94 0 top
Q918  Q_PMOS  [SOT-23]  117.51 152.49 0 top
Q919  Q_PMOS  [SOT-23]  200.43 117.34 0 top
Q920  Q_PMOS  [SOT-23]  200.43 112.89 0 top
Q921  Q_NMOS  [SOT-23]  200.43 108.44 0 top
Q922  Q_NMOS  [SOT-23]  200.43 103.99 0 top
Q923  Q_NMOS  [SOT-23]  200.43 99.54 0 top
Q924  Q_PMOS  [SOT-23]  200.43 95.09 0 top
Q925  Q_PMOS  [SOT-23]  124.42 174.74 0 top
Q926  Q_PMOS  [SOT-23]  124.42 170.29 0 top
Q927  Q_NMOS  [SOT-23]  124.42 165.84 0 top
Q928  Q_NMOS  [SOT-23]  124.42 161.39 0 top
Q929  Q_NMOS  [SOT-23]  124.42 156.94 0 top
Q930  Q_PMOS  [SOT-23]  124.42 152.49 0 top
Q931  Q_PMOS  [SOT-23]  131.33 174.74 0 top
Q932  Q_PMOS  [SOT-23]  131.33 170.29 0 top
Q933  Q_NMOS  [SOT-23]  131.33 165.84 0 top
Q934  Q_NMOS  [SOT-23]  131.33 161.39 0 top
Q935  Q_NMOS  [SOT-23]  131.33 156.94 0 top
Q936  Q_PMOS  [SOT-23]  131.33 152.49 0 top
Q937  Q_PMOS  [SOT-23]  45.46 102.55 0 top
Q938  Q_PMOS  [SOT-23]  45.46 98.1 0 top
Q939  Q_PMOS  [SOT-23]  50.37 102.55 0 top
Q940  Q_PMOS  [SOT-23]  50.37 98.1 0 top
Q941  Q_NMOS  [SOT-23]  55.27 102.55 0 top
Q942  Q_NMOS  [SOT-23]  55.27 98.1 0 top
Q943  Q_NMOS  [SOT-23]  60.19 102.55 0 top
Q944  Q_NMOS  [SOT-23]  60.19 98.1 0 top
Q945  Q_PMOS  [SOT-23]  172.78 174.74 0 top
Q946  Q_PMOS  [SOT-23]  172.78 170.29 0 top
Q947  Q_NMOS  [SOT-23]  172.78 165.84 0 top
Q948  Q_NMOS  [SOT-23]  172.78 161.39 0 top
Q949  Q_NMOS  [SOT-23]  172.78 156.94 0 top
Q950  Q_PMOS  [SOT-23]  172.78 152.49 0 top
Q951  Q_PMOS  [SOT-23]  165.88 174.74 0 top
Q952  Q_PMOS  [SOT-23]  165.88 170.29 0 top
Q953  Q_NMOS  [SOT-23]  165.88 165.84 0 top
Q954  Q_NMOS  [SOT-23]  165.88 161.39 0 top
Q955  Q_NMOS  [SOT-23]  165.88 156.94 0 top
Q956  Q_PMOS  [SOT-23]  165.88 152.49 0 top
Q957  Q_PMOS  [SOT-23]  158.97 174.74 0 top
Q958  Q_PMOS  [SOT-23]  158.97 170.29 0 top
Q959  Q_NMOS  [SOT-23]  158.97 165.84 0 top
Q960  Q_NMOS  [SOT-23]  158.97 161.39 0 top
Q961  Q_NMOS  [SOT-23]  158.97 156.94 0 top
Q962  Q_PMOS  [SOT-23]  158.97 152.49 0 top
Q963  Q_PMOS  [SOT-23]  152.06 174.74 0 top
Q964  Q_PMOS  [SOT-23]  152.06 170.29 0 top
Q965  Q_NMOS  [SOT-23]  152.06 165.84 0 top
Q966  Q_NMOS  [SOT-23]  152.06 161.39 0 top
Q967  Q_NMOS  [SOT-23]  152.06 156.94 0 top
Q968  Q_PMOS  [SOT-23]  152.06 152.49 0 top
Q969  Q_PMOS  [SOT-23]  190.25 185.64 0 top
Q970  Q_PMOS  [SOT-23]  190.25 181.19 0 top
Q971  Q_PMOS  [SOT-23]  195.16 185.64 0 top
Q972  Q_PMOS  [SOT-23]  195.16 181.19 0 top
Q973  Q_NMOS  [SOT-23]  200.06 185.64 0 top
Q974  Q_NMOS  [SOT-23]  200.06 181.19 0 top
Q975  Q_NMOS  [SOT-23]  204.97 185.64 0 top
Q976  Q_NMOS  [SOT-23]  204.97 181.19 0 top
Q977  Q_PMOS  [SOT-23]  110.59 117.34 0 top
Q978  Q_PMOS  [SOT-23]  110.59 112.89 0 top
Q979  Q_NMOS  [SOT-23]  110.59 108.44 0 top
Q980  Q_NMOS  [SOT-23]  110.59 103.99 0 top
Q981  Q_NMOS  [SOT-23]  110.59 99.54 0 top
Q982  Q_PMOS  [SOT-23]  110.59 95.09 0 top
Q983  Q_PMOS  [SOT-23]  138.24 146.04 0 top
Q984  Q_PMOS  [SOT-23]  138.24 141.59 0 top
Q985  Q_NMOS  [SOT-23]  138.24 137.14 0 top
Q986  Q_NMOS  [SOT-23]  138.24 132.69 0 top
Q987  Q_NMOS  [SOT-23]  138.24 128.24 0 top
Q988  Q_PMOS  [SOT-23]  138.24 123.79 0 top
Q989  Q_PMOS  [SOT-23]  179.7 146.04 0 top
Q990  Q_PMOS  [SOT-23]  179.7 141.59 0 top
Q991  Q_NMOS  [SOT-23]  179.7 137.14 0 top
Q992  Q_NMOS  [SOT-23]  179.7 132.69 0 top
Q993  Q_NMOS  [SOT-23]  179.7 128.24 0 top
Q994  Q_PMOS  [SOT-23]  179.7 123.79 0 top
Q995  Q_PMOS  [SOT-23]  234.97 146.04 0 top
Q996  Q_PMOS  [SOT-23]  234.97 141.59 0 top
Q997  Q_NMOS  [SOT-23]  234.97 137.14 0 top
Q998  Q_NMOS  [SOT-23]  234.97 132.69 0 top
Q999  Q_NMOS  [SOT-23]  234.97 128.24 0 top
Q1000  Q_PMOS  [SOT-23]  234.97 123.79 0 top
Q1001  Q_PMOS  [SOT-23]  125.33 185.64 0 top
Q1002  Q_PMOS  [SOT-23]  125.33 181.19 0 top
Q1003  Q_PMOS  [SOT-23]  130.24 185.64 0 top
Q1004  Q_PMOS  [SOT-23]  130.24 181.19 0 top
Q1005  Q_NMOS  [SOT-23]  135.15 185.64 0 top
Q1006  Q_NMOS  [SOT-23]  135.15 181.19 0 top
Q1007  Q_NMOS  [SOT-23]  140.06 185.64 0 top
Q1008  Q_NMOS  [SOT-23]  140.06 181.19 0 top
R1  1000  [R_0603_1608Metric]  66.22 136.17 0 top
R2  1000  [R_0603_1608Metric]  66.22 133.66 0 top
R3  1000  [R_0603_1608Metric]  66.22 131.15 0 top
R4  1000  [R_0603_1608Metric]  66.22 128.64 0 top
R5  2200  [R_0805_2012Metric]  72.19 156.7 0 top
R6  2200  [R_0805_2012Metric]  72.19 153.75 0 top
R7  2200  [R_0805_2012Metric]  72.19 150.8 0 top
R8  2200  [R_0805_2012Metric]  72.19 147.85 0 top
R9  2200  [R_0805_2012Metric]  72.19 144.9 0 top
R10  2200  [R_0805_2012Metric]  72.19 141.95 0 top
R11  2200  [R_0805_2012Metric]  76.59 156.7 0 top
R12  2200  [R_0805_2012Metric]  76.59 153.75 0 top
R13  2200  [R_0805_2012Metric]  76.59 150.8 0 top
R14  2200  [R_0805_2012Metric]  76.59 147.85 0 top
R15  2200  [R_0805_2012Metric]  76.59 144.9 0 top
R16  2200  [R_0805_2012Metric]  76.59 141.95 0 top
R17  2200  [R_0805_2012Metric]  81.01 156.7 0 top
R18  2200  [R_0805_2012Metric]  81.01 153.75 0 top
R19  2200  [R_0805_2012Metric]  81.01 150.8 0 top
R20  2200  [R_0805_2012Metric]  81.01 147.85 0 top
R21  2200  [R_0805_2012Metric]  81.01 144.9 0 top
R22  2200  [R_0805_2012Metric]  81.01 141.95 0 top
R23  2200  [R_0805_2012Metric]  85.42 156.7 0 top
R24  2200  [R_0805_2012Metric]  85.42 153.75 0 top
R25  2200  [R_0805_2012Metric]  85.42 150.8 0 top
R26  2200  [R_0805_2012Metric]  85.42 147.85 0 top
TP1  TestPoint  [TestPoint_Pad_1.0x1.0mm]  53.71 125.86 0 top
TP2  TestPoint  [TestPoint_Pad_1.0x1.0mm]  53.71 122.81 0 top
TP3  TestPoint  [TestPoint_Pad_1.0x1.0mm]  53.71 119.76 0 top
TP4  TestPoint  [TestPoint_Pad_1.0x1.0mm]  53.71 116.71 0 top
TP5  TestPoint  [TestPoint_Pad_1.0x1.0mm]  53.71 113.66 0 top
TP6  TestPoint  [TestPoint_Pad_1.0x1.0mm]  53.71 110.61 0 top
TP7  TestPoint  [TestPoint_Pad_1.0x1.0mm]  56.76 125.86 0 top
TP8  TestPoint  [TestPoint_Pad_1.0x1.0mm]  56.76 122.81 0 top
TP9  TestPoint  [TestPoint_Pad_1.0x1.0mm]  56.76 119.76 0 top
TP10  TestPoint  [TestPoint_Pad_1.0x1.0mm]  56.76 116.71 0 top
TP11  TestPoint  [TestPoint_Pad_1.0x1.0mm]  56.76 113.66 0 top
TP12  TestPoint  [TestPoint_Pad_1.0x1.0mm]  56.76 110.61 0 top
TP13  TestPoint  [TestPoint_Pad_1.0x1.0mm]  59.8 125.86 0 top
TP14  TestPoint  [TestPoint_Pad_1.0x1.0mm]  59.8 122.81 0 top
TP15  TestPoint  [TestPoint_Pad_1.0x1.0mm]  59.8 119.76 0 top
TP16  TestPoint  [TestPoint_Pad_1.0x1.0mm]  59.8 116.71 0 top
TP17  TestPoint  [TestPoint_Pad_1.0x1.0mm]  59.8 113.66 0 top
U1  74HC540  [SOIC-20W_7.5x12.8mm_P1.27mm]  89.3 182.12 0 top
U2  74HC540  [SOIC-20W_7.5x12.8mm_P1.27mm]  88 131.26 0 top
U3  74HC182  [SOIC-16_3.9x9.9mm_P1.27mm]  59.48 134.13 0 top
U4  74HC182  [SOIC-16_3.9x9.9mm_P1.27mm]  64.85 163.9 0 top
U5  74HC182  [SOIC-16_3.9x9.9mm_P1.27mm]  73.31 163.9 0 top
U6  74HC157  [SOIC-16_3.9x9.9mm_P1.27mm]  81.76 163.9 0 top
U7  74HC157  [SOIC-16_3.9x9.9mm_P1.27mm]  90.21 163.9 0 top
U8  74HC244  [SOIC-20W_7.5x12.8mm_P1.27mm]  15.5 144.26 270 top
U9  74HC4078  [SOIC-14_3.9x8.7mm_P1.27mm]  72.44 134.68 0 top
U10  74AHC1G86  [SOT-23-5]  79.25 137.53 0 top
U11  74HC244  [SOIC-20W_7.5x12.8mm_P1.27mm]  15.21 158.12 270 top
U12  74HC244  [SOIC-20W_7.5x12.8mm_P1.27mm]  80.65 114.63 0 top
U13  74HC244  [SOIC-20W_7.5x12.8mm_P1.27mm]  15.5 129.26 270 top
U14  74HC244  [SOIC-20W_7.5x12.8mm_P1.27mm]  89.15 182.8 0 top

## Library data of the parts
C1-C16 = -: Description: Unpolarized capacitor; KiLib_Generator: SMD_2terminal_chip_molded; ki_fp_filters: C_*
D1-D22 = -: Description: Light emitting diode; KiLib_Generator: SMD_2terminal_chip_molded; Sim.Pins: 1=K 2=A; ki_fp_filters: LED* LED_SMD:* LED_THT:*
J1 = -: Description: Generic connector, single row, 01x35, script generated (kicad-library-utils/schlib/autogen/connector/); KiLib_Generator: connector/pin_header_socket; ki_fp_filters: Connector*:*_1x??_*
J2 = -: Description: Generic connector, single row, 01x24, script generated (kicad-library-utils/schlib/autogen/connector/); KiLib_Generator: connector/pin_header_socket; ki_fp_filters: Connector*:*_1x??_*
